# Allegro board FEE5_10_30.brd (continued)
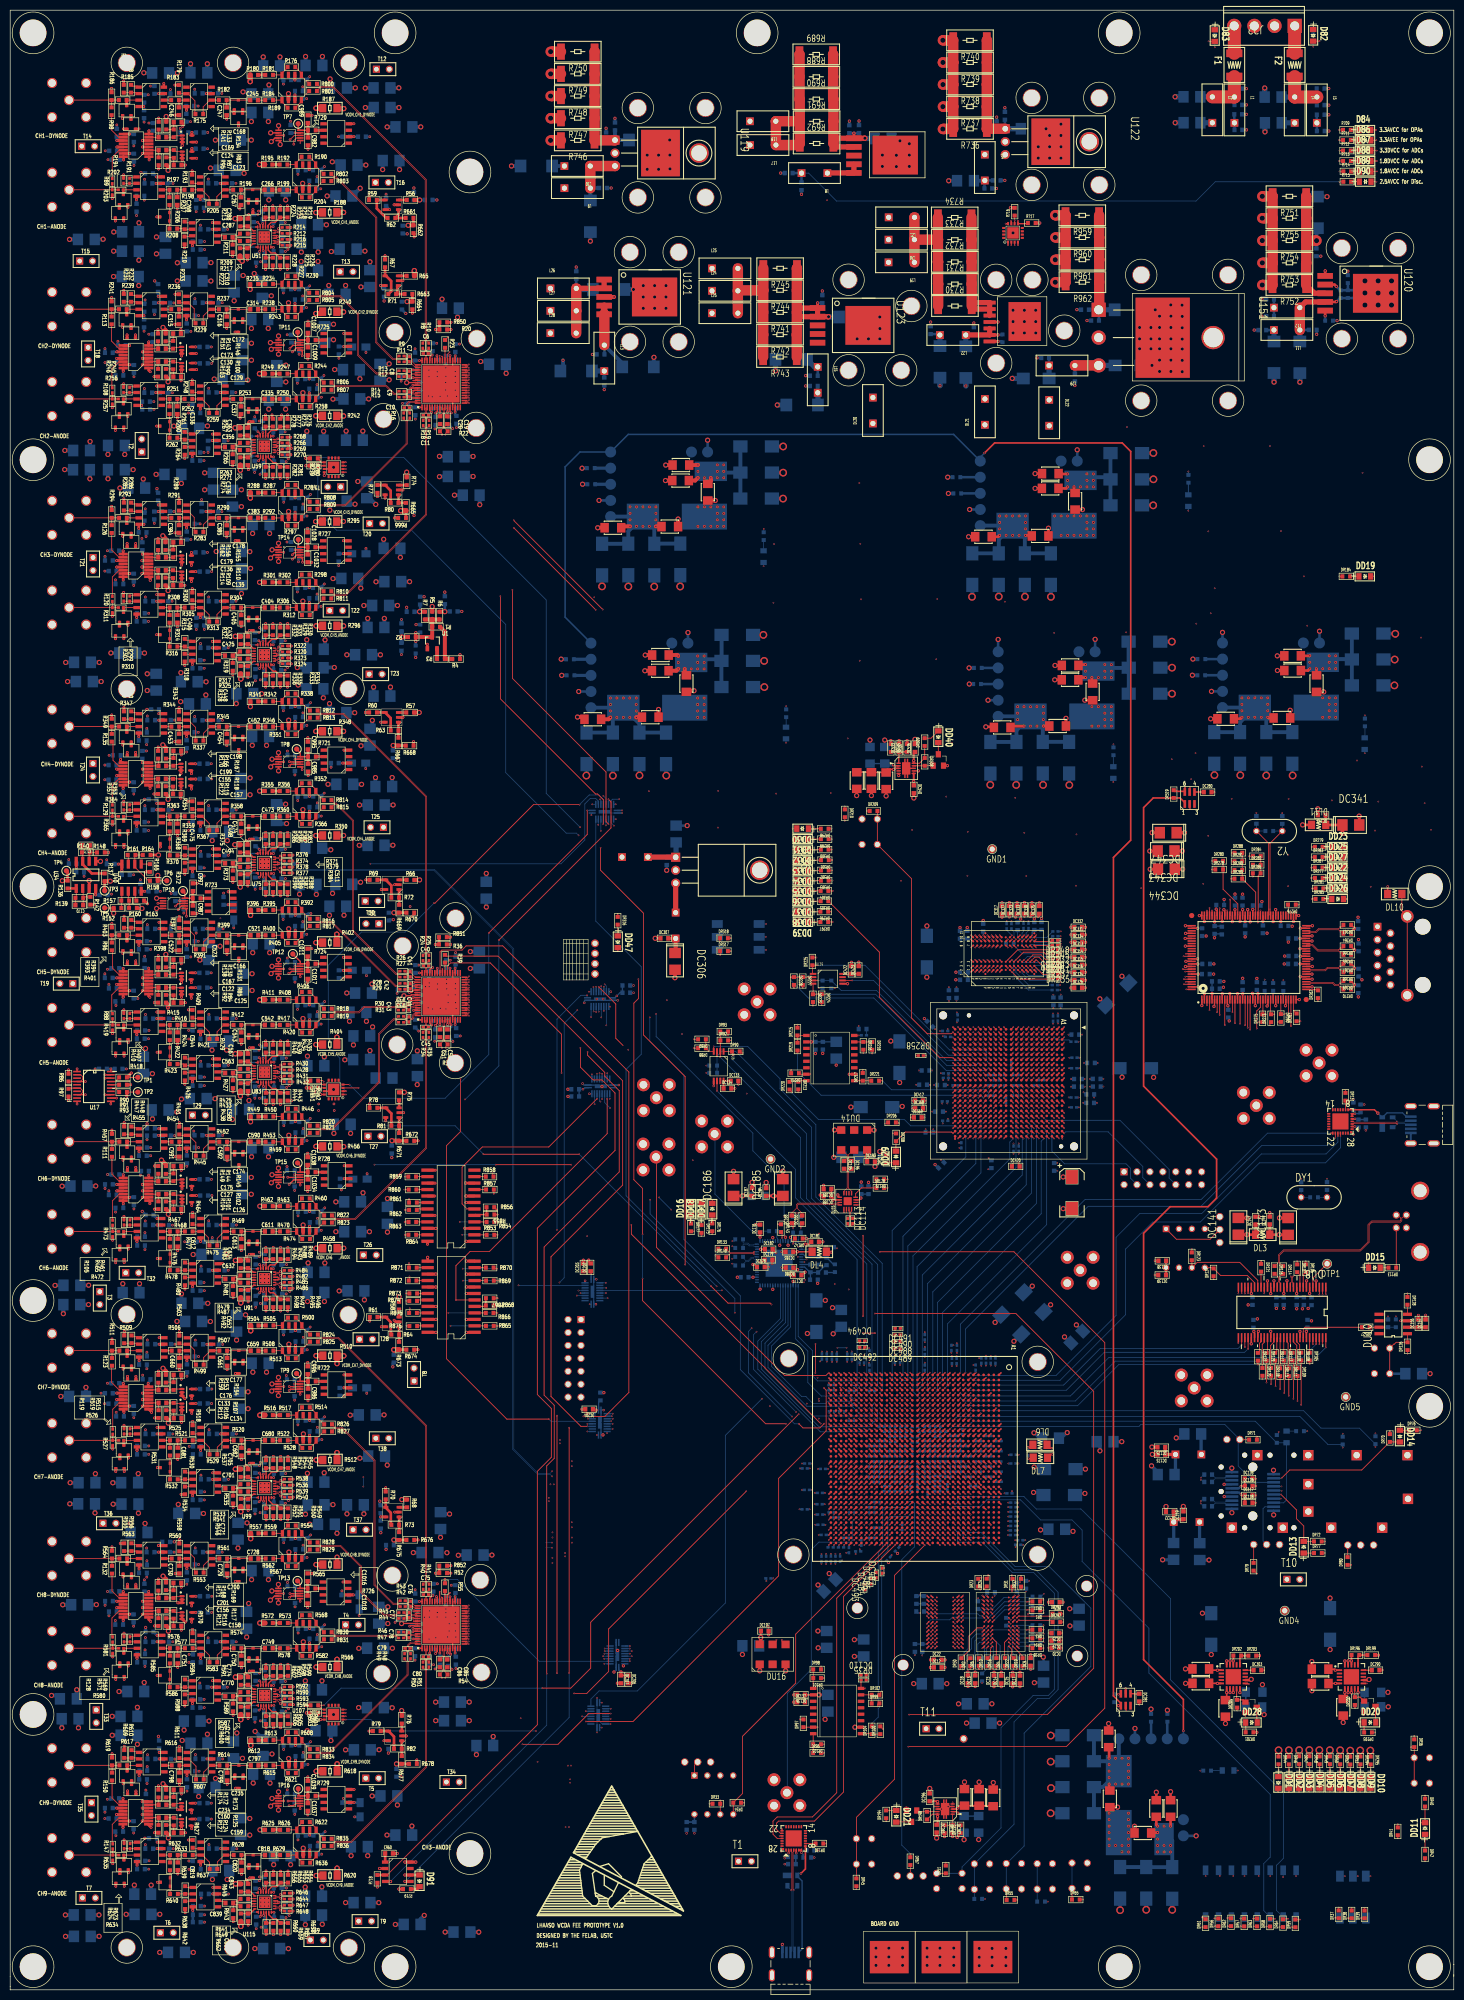
[diagram p0: board, top side]
## Routing (per net, layer and track width the routed paths; a pad name or vN(x,y) marks a point on that pad's centre or on a via; arc(x,y) is an arc through that point) (continued)
VBUS_5V_A7_USB_UART: length 22.5
  TOP w0.305: DU11.8 156.22,23.74 155.34,22.85 v2(155.34,22.85)
  BOTTOM w0.254: v2(155.34,22.85) 154.86,22.85 154.61,22.6 DX1.2 154.61,22.32 155.56,21.37 155.56,8.02 DJ10.1
VBUS_5V_A7_USB_UART2: length 13.6
  TOP w0.254: DU12.8 268,172.82 v6(268.66,172.15)
  BOTTOM w0.254: DJ11.1 274.26,171.46 273.52,172.2 270.46,172.2 269.57,171.32 DX2.2 269.5,171.32 v6(268.66,172.15)
VCC1V0: length 127.2
  TOP w0.152: DU4.AE15 v1(169.79,107.19)
  TOP w0.254: DU4.L17 v1(184.65,105.19) ; DU4.N19 v1(182.65,102.32) ; DU4.Y16 v1(174.79,106.19) ; DU4.W19 v1(175.79,102.32) ; v6(234.6,195.65) 234.6,195.65 DU41.2 ; DU4.P16 v1(181.65,106.19) ; DU41.85 242.6,209.78 v6(242.59,209.77) ; DU41.96 237.1,212.02 v6(236.91,212.2) ; DU4.AD18 v1(170.79,103.32) ; DU4.V20 v1(176.79,101.32) ; DU41.17 242.1,195.57 v6(242.1,195.58) ; DU4.U19 v1(178.65,102.32) ; DU41.27 247.07,194.42 247.07,193.34 v6(246.91,193.19) ; DU4.AE21 v1(169.79,100.32) ; DU4.AC21 v1(171.79,100.32) ; DU31.5 231.69,236.14 v1(231.7,236.14) ; DU4.R21 v1(180.65,100.32) ; DU4.U21 v1(178.65,100.32) ; DU4.V16 v1(176.79,106.19) ; DU41.23 245.1,195.59 v6(245.1,195.6) ; DU4.R17 v1(180.65,105.19) ; DU4.R19 v1(180.65,102.32) ; DU41.90 240.1,209.86 240.09,209.85 240.09,209.77 v6(240.09,209.76) ; DU4.AE17 v1(169.79,105.19) ; DU4.L15 v1(184.65,107.19) ; DU4.T20 v1(179.65,101.32) ; DU4.M16 v1(183.65,106.19) ; DU4.M14 v1(183.65,108.19) ; DU4.AD22 v1(170.79,99.32) ; DU4.W15 v1(175.79,107.19) ; DU4.M20 v1(183.65,101.32) ; v6(236.47,193.1) 236.57,193.21 236.57,194.43 DU41.6 ; DU4.M18 v1(183.65,103.32) ; DU4.AC19 v1(171.79,102.32) ; DU4.K14 v1(185.65,108.19) ; DU4.P14 v1(181.65,108.19) ; v6(246.09,209.81) 246.09,209.81 246.1,209.82 DU41.78 ; v6(233.26,201.45) 233.26,201.45 DU41.118 ; DU4.K18 v1(185.65,103.32) ; DU4.Y14 v1(174.79,108.19) ; DU4.V14 v1(176.79,108.19) ; DU4.AB18 v1(172.79,103.32) ; DU4.AD20 v1(170.79,101.32) ; DU4.T14 v1(179.65,108.19) ; DU4.N15 v1(182.65,107.19) ; DU4.AA21 v1(173.79,100.32) ; DU4.Y18 v1(174.79,103.32) ; DU4.T16 v1(179.65,106.19) ; DU4.AB20 v1(172.79,101.32) ; DU4.AB14 v1(172.79,108.19) ; DU4.AE19 v1(169.79,102.32) ; DU4.AA17 v1(173.79,105.19) ; DU4.W21 v1(175.79,100.32) ; DU4.AD16 v1(170.79,106.19) ; DU4.L21 v1(184.65,100.32) ; DU4.AC17 v1(171.79,105.19) ; DU41.12 239.6,195.62 v6(239.59,195.63) ; DU4.R15 v1(180.65,107.19) ; DU4.K20 v1(185.65,101.32) ; DU4.K16 v1(185.65,106.19) ; DU41.117 v6(230.96,201.95) ; DU4.N17 v1(182.65,105.19) ; DU4.P18 v1(181.65,103.32) ; DU4.Y20 v1(174.79,101.32) ; DU4.P20 v1(181.65,101.32) ; DU4.AA19 v1(173.79,102.32) ; DU4.L19 v1(184.65,102.32) ; DU4.AB16 v1(172.79,106.19) ; DU4.N21 v1(182.65,100.32) ; DU4.U15 v1(178.65,107.19) ; DU4.AA15 v1(173.79,107.19) ; DU4.AC15 v1(171.79,107.19) ; DU4.AD14 v1(170.79,108.19)
  TOP w0.508: DC347.1 230.66,227.21 v5(230.67,227.21) ; DC219.1 241.66,249.58 v7(241.96,249.88) ; DC218.1 247.17,249.75 v7(247.04,249.88)
  BOTTOM w0.152: DR310.1 v1(266.13,250.25)
  BOTTOM w0.254: v6(242.59,209.77) 242.59,209.01 DC348.1 ; DC355.2 245.1,196.14 245.1,195.61 v6(245.1,195.6) ; v1(172.79,108.19) 172.79,108.54 DC468.1 ; DC442.1 179.65,101.61 v1(179.65,101.32) ; v1(182.65,107.19) 182.69,107.15 DC426.1 ; DC39.1 170.79,105.81 v1(170.79,106.19) ; v1(169.79,105.19) 169.79,104.84 DC462.1 ; v1(182.65,102.32) 182.67,102.34 DC444.1 ; v1(181.65,106.19) 181.65,105.85 DC430.1 ; v1(170.79,99.32) 170.79,99.54 DC69.1 ; DC439.1 185.65,101.64 v1(185.65,101.32) ; v1(185.65,108.19) 185.65,107.88 DC461.1 ; DC436.1 170.79,103.66 v1(170.79,103.32) ; v1(173.79,107.19) 173.79,107.47 DC465.1 ; DC81.1 175.79,102.32 v1(175.79,102.32) ; DC42.1 185.65,103.7 v1(185.65,103.32) ; v1(179.65,108.19) 179.65,107.82 DC425.1 ; DC464.1 170.79,107.88 v1(170.79,108.19) ; v1(175.79,107.19) 175.79,106.94 DC435.1 ; DC349.1 236.94,212.23 v6(236.91,212.2) ; DC455.1 182.65,104.78 v1(182.65,105.19) ; v1(178.65,102.32) 178.37,102.32 DC51.1 ; v1(183.65,103.32) 183.65,103.68 DC447.1 ; v1(169.79,102.32) 169.79,102.7 DC463.1 ; v1(184.65,100.32) 184.65,100.56 DC440.1 ; v1(183.65,101.32) 183.65,101.66 DC43.1 ; v1(184.65,105.19) 184.65,104.94 DC454.1 ; DC53.1 178.32,107.52 v1(178.65,107.19) ; v1(171.79,105.19) 171.79,104.86 DC41.1 ; v1(184.65,102.32) 184.65,102.56 DC445.1 ; DC73.1 174.77,101.34 v1(174.79,101.32) ; DC79.1 171.79,102.6 v1(171.79,102.32) ; v1(174.79,103.32) 174.79,103.7 DC40.1 ; DC52.1 177.19,101.32 v1(176.79,101.32) ; DC456.1 172.79,105.86 v1(172.79,106.19) ; v1(184.65,107.19) 184.65,106.87 DC82.1 ; DC469.1 v1(157.08,102.38) ; DC438.1 182.65,99.94 v1(182.65,100.32) ; DC424.1 181.65,108.53 v1(181.65,108.19) ; v1(180.65,100.32) 180.65,100.63 DC437.1 ; DC74.1 170.79,101.63 v1(170.79,101.32) ; v1(178.65,100.32) 178.28,100.32 DC427.1 ; DC433.1 169.79,106.86 v1(169.79,107.19) ; v1(175.79,100.32) 176.06,100.59 DC72.1 ; v1(181.65,101.32) 181.65,100.95 DC441.1 ; DC460.1 172.79,101.67 v1(172.79,101.32) ; v1(180.65,107.19) 180.65,106.91 DC428.1 ; v1(180.65,102.32) 180.65,102.56 DC443.1 ; DC457.1 174.79,105.88 v1(174.79,106.19) ; v6(246.09,209.81) DC358.2 ; v1(176.79,106.19) 176.79,106.19 DC45.1 ; DC38.1 180.65,104.97 v1(180.65,105.19) ; v6(242.1,195.58) DC359.2 ; DC466.1 177.13,108.53 v1(176.79,108.19) ; DC470.1 157.53,103.35 v1(157.55,103.32) ; v1(173.79,102.32) 173.79,102.57 DC80.1 ; v1(173.79,105.19) 173.79,104.85 DC459.1 ; DC70.1 171.79,100.68 v1(171.79,100.32) ; DC71.1 173.79,100.63 v1(173.79,100.32) ; v1(183.65,108.19) 183.65,107.87 DC44.1 ; v1(185.65,106.19) 185.65,105.84 DC432.1 ; v1(183.65,106.19) 183.65,105.89 DC431.1 ; v1(179.65,106.19) 179.65,105.84 DC429.1 ; DC446.1 181.65,103.62 v1(181.65,103.32) ; v1(171.79,107.19) 171.79,106.83 DC434.1 ; v1(169.79,100.32) 169.57,100.54 DC46.1 ; DC458.1 172.79,103.62 v1(172.79,103.32) ; DC471.1 v1(160.65,102.29) ; DC354.2 233.27,201.44 v6(233.26,201.45) ; v1(174.79,108.19) 174.79,108.49 DC467.1
  BOTTOM w0.508: DR180.2 v5(232.34,261.31)
  BOTTOM w0.635: DC30.1 158.07,128.87 156.6,128.87 v5(156.6,128.88)
  BOTTOM w0.762: v5(193.47,131.06) 194.71,132.3 DC31.1 ; v5(197.17,127.35) 198.53,128.71 DC32.1 ; DU25.5 241.6,248.9 DC215.1 DC217.1 ; DU25.5 DU25.6 ; DU25.5 246.75,249.54 DC214.1 246.76,246.96 DC216.1
  vias: v7(241.96,253.69) v7(241.96,252.42) v7(241.96,251.15) v7(243.23,253.69) v7(243.23,249.88) v7(244.5,253.69) v7(244.5,249.88) v7(245.77,253.69) v7(245.77,249.88) v7(247.04,253.69) v7(247.04,252.42) v7(247.04,251.15)
VCC1V2: length 54.5
  TOP w0.254: DU37.K9 v1(198.06,181.04) ; DC368.2 179.3,173.66 v1(179.31,173.67) ; DU37.N12 v1(194.2,177.18) ; DU37.L12 v1(197.06,177.18) ; DU37.R14 v1(192.2,175.18) ; DU37.J14 v1(199.06,175.18) ; DU37.J8 v1(199.06,182.04) ; DU37.L10 v1(197.06,180.04) ; DU37.M13 v1(195.2,176.18) ; DU37.M9 v1(195.2,181.04) ; DU37.P9 v1(193.2,181.04) ; DU37.J10 v1(199.06,180.04) ; DU37.P13 v1(193.2,176.18) ; DU37.L14 v1(197.06,175.18) ; DU37.K11 v1(198.06,179.04) ; DU37.N14 v1(194.2,175.18) ; DU37.N10 v1(194.2,180.04) ; DC369.2 v1(179.62,171.3) ; DU37.K13 v1(198.06,176.18) ; DU37.P11 v1(193.2,179.04) ; DU37.M11 v1(195.2,179.04) ; DU37.J12 v1(199.06,177.18)
  TOP w0.508: v7(202.97,248.15) 202.98,248.17 DC273.1 ; DC272.1 196.77,248.15 v7(199.16,248.15)
  BOTTOM w0.152: DR313.1 v1(216.73,244.57)
  BOTTOM w0.254: DC372.2 194.2,177.46 v1(194.2,177.18) ; v1(197.06,180.04) 197.06,179.68 DC376.2 ; v1(193.2,179.04) 193.2,178.7 DC373.2 ; DC366.2 180.66,177.72 v1(180.66,177.72) ; DC377.2 197.06,175.47 v1(197.06,175.18) ; v1(194.2,180.04) 194.2,179.79 DC375.2 ; DC374.2 197.07,177.55 197.07,177.19 v1(197.06,177.18) ; DC367.2 v1(208.39,177.35) ; v1(192.2,175.18) 192.2,175.58 DC371.2 ; DC370.2 v1(184.17,177.66)
  BOTTOM w0.508: DR190.2 v5(188.37,259.57)
  BOTTOM w0.635: DC378.1 173.42,173.47 v5(175.24,173.47)
  BOTTOM w0.762: DU30.5 202.85,247.64 DC276.1 DC278.1 ; DU30.5 197.67,247.31 DC277.1 192.56,245.04 DC279.1 ; DU30.5 DU30.6
  vias: v7(197.89,251.96) v7(197.89,250.69) v7(197.89,249.42) v7(199.16,251.96) v7(200.43,251.96) v7(200.43,248.15) v7(201.7,251.96) v7(201.7,248.15) v7(202.97,251.96) v7(202.97,250.69) v7(202.97,249.42)
VCC1V5: length 139.3
  TOP w0.254: DU37.U5 v1(190.2,185.04) ; DU1.A9 v1(187.21,77.43) ; DU4.G33 v1(188.65,88.32) ; DU2.E9 v1(198.13,74.23) ; DU4.M28 v1(183.65,93.32) ; DR195.1 186.58,30.66 186.58,30.54 186.04,30 186.04,29.95 v6(186.02,29.92) ; DU40.K2 v1(196.76,200.68) ; DU40.K8 v1(196.76,206.26) ; DU4.K34 v1(185.65,87.32) ; v6(186.16,34.68) 186.16,34.68 185.85,34.99 DU34.2 ; DU40.F1 v1(192.78,199.88) ; DU1.K9 v1(187.21,69.47) ; DU4.J27 v1(186.65,94.32) ; DU1.M9 v1(187.21,67.87) ; DU2.G8 v1(197.33,72.63) ; DU40.H9 v1(194.38,207.06) ; DU2.G2 v1(192.53,72.63) ; DU40.N1 v1(199.16,199.88) ; DU2.M1 v1(190.98,67.87) ; DU37.N5 v1(194.2,185.04) ; DU40.E9 v1(191.98,207.06) ; DU2.A2 v1(191.78,77.43) ; DU4.P32 v1(181.65,89.32) ; DU37.C2 v1(205.06,188.04) ; DU37.J5 v1(199.06,185.04) ; DU37.G2 v1(201.06,188.04) ; DU1.K1 v1(180.06,69.47) ; DU40.D9 v1(191.18,207.06) ; DU1.E2 v1(180.86,74.23) ; DU1.G8 v1(186.41,72.63) ; DU2.C1 v1(190.98,75.83) ; DU1.B9 v1(187.21,76.63) ; DU1.C1 v1(180.06,75.83) ; DU4.R29 v1(180.65,92.32) ; DU4.K24 v1(185.65,97.32) ; DU1.D7 v1(185.61,75.03) ; DU40.B2 v1(189.58,200.68) ; DU37.W2 v1(188.2,188.04) ; DU1.E9 v1(187.21,74.23) ; DU1.M1 v1(180.06,67.87) ; DU40.A8 v1(188.78,206.26) ; DU40.N9 v1(199.16,207.06) ; DU2.K1 v1(190.98,69.47) ; DU40.C9 v1(190.38,207.06) ; DU40.R9 v1(200.76,207.06) ; DU2.M9 v1(198.13,67.87) ; DU37.L7 v1(197.06,183.04) ; DU1.G2 v1(180.86,71.87) ; DU37.L2 v1(197.06,188.04) ; DU2.A9 v1(198.13,77.43) ; DU40.R1 v1(200.76,199.88) ; DU40.D2 v1(191.18,200.68) ; DU40.A1 v1(188.78,199.88) ; DU4.U33 v1(178.65,88.32) ; DU4.T26 v1(179.65,95.32) ; DR306.1 v6(173,245.3) ; DU40.C1 v1(190.38,199.88) ; DU37.R2 v1(192.2,188.04) ; DU4.N25 v1(182.65,96.32) ; DU2.K9 v1(198.13,69.47) ; DU2.D7 v1(196.53,75.03) ; DU4.L31 v1(184.65,90.32) ; DU43.2 173.7,240.35 v6(173.49,240.57) ; DU37.F4 v1(202.06,186.04) ; DU40.G7 v1(193.58,204.68) ; DU2.E2 v1(191.78,74.23) ; DU1.A2 v1(180.86,77.43) ; DU40.H2 v1(194.38,200.68) ; DU4.H30 v1(187.65,91.32) ; DU2.B9 v1(198.13,76.63)
  TOP w0.305: DU33.5 260.36,60.16 v6(260.35,60.16) 258.99,60.16 DC284.1 ; DC298.1 237.13,60.18 v6(237.14,60.17) DU35.5 ; v6(262.82,58.36) DU33.7 ; DU35.6 v6(238.97,58.38) 238.97,57.14 DC297.1 ; DU33.8 263.47,58.35 v6(263.47,58.35) ; DC9.2 200.45,65.78 v6(200.46,65.79) ; DU35.8 v6(240.27,58.38) ; DU33.6 262.17,58.36 v6(262.17,58.36) 262.17,57.41 DC285.1 ; DU35.7 v6(239.62,58.37)
  TOP w0.762: v7(117.9,249.85) 117.54,249.49 DC254.1 ; DC255.1 123.02,249.89 v7(122.98,249.85)
  BOTTOM w0.152: v1(242.47,22.35) 242.45,22.38 DSW7.12 ; v1(240.26,22.35) 240.26,23.13 DSW7.11 ; v1(245.25,22.34) 245.25,23.21 DSW7.13 ; DSW7.9 234.84,23.47 v1(234.84,22.33) ; DR312.1 v1(152.43,252.07) ; v1(237.6,22.37) 237.6,23.24 DSW7.10 ; DSW7.15 v1(250.07,22.15) ; DSW7.14 v1(247.53,22.34) ; DSW7.16 v1(252.61,22.33)
  BOTTOM w0.254: DC523.1 196,89.29 v1(196,89.3) ; v1(206.34,192.75) 206.35,192.77 DC390.2 ; v1(191.18,207.06) 191.18,207.76 DC322.1 ; DC321.1 188.11,198.34 DC320.1 188.18,199.88 v1(188.78,199.88) ; DC393.2 204.86,189.73 v1(204.85,189.72) ; v1(204.93,192.75) 204.93,192.76 DC389.2 ; DC292.1 190.24,34.12 DC291.1 186.82,34.68 v6(186.16,34.68) ; DC4.2 177.72,67.9 DC3.2 179.19,67.87 v1(180.06,67.87) ; DC525.1 157.5,98.17 v1(157.5,98.16) ; DC7.2 197.82,78.24 198.08,77.99 198.08,77.48 v1(198.13,77.43) ; v6(173.49,240.57) 173.27,240.35 172.24,240.35 DC534.1 171.8,240.78 DC535.1 ; DC10.2 199.54,78.21 v1(199.54,78.21) ; DC8.2 191.78,77.91 v1(191.78,77.43) ; DC392.2 185.99,190.3 185.99,189.99 v1(185.96,189.95) ; DC391.2 185.9,194.24 v1(185.89,194.22) ; DC328.1 202.59,208.13 DC329.1 200.76,207.71 v1(200.76,207.06) ; v1(184.41,194.19) 184.4,194.19 DC404.2 ; DC526.1 v1(195.31,97.48) ; v1(196.03,91.09) 196.04,91.09 DC106.1 ; v1(197.43,88.29) 197.44,88.28 DC527.1 ; v1(180.06,75.83) 179.48,75.83 DC5.2 178.02,75.79 DC2.2 ; v1(205.81,189.75) 205.81,189.75 DC396.2 ; DC397.2 v1(184.16,188.68) ; v1(196.03,90.2) 196.03,90.2 DC105.1 ; v1(197.5,86.97) 197.5,86.97 DC528.1 ; v1(196.03,92.01) 196.03,92.01 DC108.1 ; v1(196.06,93.85) 196.06,93.86 DC521.1 ; DC522.1 196.07,94.77 v1(196.07,94.77) ; v1(188.78,206.26) 188.16,206.26 DC318.1 186.59,206.42 DC319.1 ; DC109.1 v1(196.05,92.94) ; DC524.1 v1(196.05,95.67)
  BOTTOM w0.508: DC107.1 v5(158.67,70.46) ; v5(177.49,60.12) 177.69,60.12 177.69,60.12 DC11.1 ; v5(187.86,52.38) 187.87,52.37 DC6.1 ; DC104.1 203.81,90.31 v5(202.4,90.31)
  BOTTOM w0.635: v5(108.25,261.29) 108.26,261.28 DR186.2 ; DC388.1 180.07,198.84 v5(180.06,198.83)
  BOTTOM w0.762: DU28.5 118.39,249.71 DC251.1 DC250.1 ; DU28.5 DU28.6 ; DU28.5 123.61,248.6 DC252.1 128.82,246.88 DC253.1
  vias: v7(117.9,253.66) v7(117.9,252.39) v7(117.9,251.12) v7(119.17,253.66) v7(119.17,249.85) v7(120.44,253.66) v7(120.44,249.85) v7(121.71,253.66) v7(121.71,249.85) v7(122.98,253.66) v7(122.98,252.39) v7(122.98,251.12)
VCC1V8: length 65.5
  TOP w0.254: DU4.W13 v1(175.79,109.19) ; DU4.V22 v1(176.79,99.32) ; DU4.P22 v1(181.65,99.32) ; DU4.P12 v1(181.65,110.19) ; DU4.AB12 v1(172.79,110.19) ; DU4.U13 v1(178.65,109.19) ; DU4.AA13 v1(173.79,109.19) ; DU4.M22 v1(183.65,99.32) ; DU4.AD12 v1(170.79,110.19) ; DU4.AB22 v1(172.79,99.32) ; DU4.W23 v1(175.79,98.32) ; DU4.AA23 v1(173.79,98.32) ; DU4.N13 v1(182.65,109.19) ; DU4.N23 v1(182.65,98.32) ; DU4.AC23 v1(171.79,98.32) ; DU4.R13 v1(180.65,109.19) ; v2(204.7,105.12) 204.69,105.11 204.16,105.11 203.77,104.72 DL7.2 ; DU4.Y12 v1(174.79,110.19) ; DU4.R23 v1(180.65,98.32) ; DU4.Y22 v1(174.79,99.32) ; DU4.T22 v1(179.65,99.32) ; DU4.T12 v1(179.65,110.19) ; DU4.V12 v1(176.79,110.19) ; DU4.AC13 v1(171.79,109.19) ; DU4.U23 v1(178.65,98.32)
  TOP w0.305: DU32.5 v2(219.13,59.17)
  TOP w0.508: DC242.1 215.87,39.28 v7(215.87,40.4) ; DC243.1 215.87,47.57 v7(215.87,45.48)
  BOTTOM w0.152: DR314.1 v1(233.79,43.04)
  BOTTOM w0.254: v1(182.65,98.32) 182.65,97.92 DC476.1 ; v1(171.79,109.19) 171.79,109.51 DC58.1 ; v1(172.79,110.19) 172.79,110.56 DC54.1 ; v1(179.65,110.19) 179.65,110.55 DC449.1 ; DC475.1 180.31,98.32 v1(180.65,98.32) ; v1(182.65,109.19) 182.65,109.42 DC448.1 ; v1(179.65,99.32) 179.65,99.58 DC481.1 ; DC477.1 183.9,99.32 v1(183.65,99.32) ; v1(176.79,99.32) 176.79,99.07 DC480.1 ; v1(178.65,98.32) 178.44,98.32 DC474.1 ; v1(170.79,110.19) 170.79,110.44 DC55.1 ; DC482.1 181.65,99.32 v1(181.65,99.32) ; v1(181.65,110.19) 181.65,110.47 DC450.1 ; v1(173.79,98.32) 173.81,98.31 DC472.1 ; DC483.1 171.79,98.05 v1(171.79,98.32) ; v1(172.79,99.32) 172.79,98.92 DC478.1 ; DC473.1 175.79,98.1 v1(175.79,98.32) ; v1(173.79,109.19) 173.79,109.49 DC57.1 ; v1(176.79,110.19) 177.14,110.54 DC59.1 ; DC479.1 174.78,99.69 174.78,99.33 v1(174.79,99.32) ; v1(174.79,110.19) 174.79,110.4 DC56.1 ; DC453.1 178.65,109.44 v1(178.65,109.19) ; v1(175.79,109.19) 176.05,109.44 DC451.1 ; v1(180.65,109.19) 180.66,109.2 DC452.1
  BOTTOM w0.508: v5(201.1,109.37) 202.15,108.33 DC87.1 ; DR185.2 v5(227.32,54.9)
  BOTTOM w0.635: v5(214.07,105.85) 214.07,106.98 DC88.1
  BOTTOM w0.762: DU27.6 DU27.5 ; DU27.5 214.64,39.8 DC241.1 DC240.1 ; DU27.5 215.84,44.89 DC239.1 DC238.1
  vias: v7(215.87,44.21) v7(215.87,42.94) v7(215.87,41.67) v7(217.14,45.48) v7(217.14,40.4) v7(218.41,45.48) v7(218.41,40.4) v7(219.68,45.48) v7(219.68,44.21) v7(219.68,42.94) v7(219.68,41.67) v7(219.68,40.4)
VCC2V5: length 118.3
  TOP w0.152: v1(244.13,220.29) 244.13,220.29 DR282.1 ; DR285.1 255.74,214.21 v1(255.74,214.21) ; DR288.1 239.94,223.26 v1(239.94,223.26) ; DR277.1 v1(255.55,218.33) ; DR260.2 249.01,190.07 v1(249,190.08) ; v1(255.64,222.41) 255.65,222.42 DR283.1 ; DR287.1 v1(255.59,220.35) ; DR279.1 v1(255.65,224.42) ; DR281.1 v1(255.73,216.26) ; DR278.1 v1(236.12,219.99) ; DU37.B4 v1(206.06,186.04) ; DU37.F11 v1(202.06,179.04)
  TOP w0.254: DU4.AK9 v1(164.79,113.19) ; DU37.R6 v1(192.2,184.04) ; DU4.AJ2 v1(165.79,120.19) ; DU37.K15 v1(198.06,174.18) ; DU4.AN10 v1(161.79,112.19) ; v6(233.36,199.46) 233.35,199.45 DU41.122 ; DU4.AC25 v1(171.79,96.32) ; DU37.H15 v1(200.06,174.18) ; DU41.30 248.6,193.25 v6(248.6,193.25) ; v6(236.1,195.64) 236.1,195.64 DU41.5 ; DU41.82 244.1,212.03 244.09,212.03 244.09,212.13 v6(244.08,212.14) ; DU41.73 248.6,212.11 v6(248.59,212.12) ; DU4.AM28 v1(162.79,93.32) ; DU37.M15 v1(195.2,174.18) ; DU37.G14 v1(201.06,175.18) ; DU4.AK34 v1(164.79,87.32) ; DU4.AJ27 v1(165.79,94.32) ; DU37.B19 v1(206.06,170.18) ; DU37.H9 v1(200.06,181.04) ; DU4.AM3 v1(162.79,119.19) ; DU4.AF26 v1(168.79,95.32) ; DU37.U11 v1(190.2,179.04) ; DU37.G12 v1(201.06,177.18) ; DU4.AP7 v1(160.79,115.19) ; DU41.71 249.6,209.79 v6(249.6,209.78) ; DU37.R12 v1(192.2,177.18) ; DU4.AG33 v1(167.79,88.32) ; DU4.AL6 v1(163.79,116.19) ; DU4.AD32 v1(170.79,89.32) ; DU37.V6 v1(189.2,184.04) ; DU37.E17 v1(203.06,172.18) ; DU41.11 239.12,194.43 239.12,193.32 v6(239.2,193.23) ; DU41.34 250.57,194.43 250.57,193.29 v6(250.52,193.24) ; DU41.97 v6(236.6,209.71) ; v6(242.1,212.1) 242.1,212.09 DU41.86 ; v6(240.59,212.1) 240.6,212.09 DU41.89 ; DU37.N8 v1(194.2,182.04) ; DU37.R10 v1(192.2,180.04) ; DU37.G10 v1(201.06,180.04) ; DU4.AH30 v1(166.79,91.32) ; DU4.AP32 v1(160.79,89.32) ; DU37.F6 v1(202.06,184.04) ; DU4.AN25 v1(161.79,96.32) ; DU4.AE29 v1(169.79,92.32) ; DU37.L8 v1(197.06,182.04) ; DU4.AL31 v1(163.79,90.32)
  TOP w0.508: DC267.1 200.59,285.6 v7(199.45,285.6) ; DC261.1 194.11,285.33 v7(194.37,285.6) ; v5(230.32,220.06) 230.31,220.05 DC344.1 ; DC343.1 230.23,223.61 v5(230.24,223.62) ; DL11.2 v5(253.89,228.75)
  BOTTOM w0.152: DR259.2 v1(250.1,198.26)
  BOTTOM w0.203: DR315.1 v1(231.45,298.15)
  BOTTOM w0.254: v1(208.05,183.05) 208.05,183.04 DC400.2 ; DC361.2 237.91,208.87 DC346.1 236.6,209.71 v6(236.6,209.71) ; v1(202.06,179.04) 202.06,178.66 DC384.2 ; DC514.1 v1(160,95.36) ; DC350.2 239.29,193.15 v6(239.2,193.23) ; DC381.2 212.1,178.87 v1(212.1,178.87) ; DC513.1 v1(160.1,93.33) ; DC512.1 160.14,91.33 v1(160.16,91.31) ; DC65.1 162.38,123.33 v1(162.36,123.32) ; v1(207.89,187.57) 207.9,187.57 DC405.2 ; DC383.2 192.2,179.65 v1(192.2,180.04) ; v6(240.59,212.1) 240.6,212.11 DC364.2 ; v1(160.79,89.32) 160.78,89.33 DC85.1 ; DC402.2 208.39,175.23 v1(207.92,175.23) ; v6(244.08,212.14) 244.09,212.14 244.09,212.9 DC345.1 ; v6(249.6,209.78) 249.6,208.95 DC363.2 ; v1(210.96,182.01) 210.96,182 DC399.2 ; v1(197.06,182.04) 196.68,182.04 DC532.2 ; v1(160.05,97.58) 160.05,97.58 DC509.1 ; v1(164.79,87.32) 164.77,87.3 DC86.1 ; v1(212.13,177.36) 212.13,177.37 DC382.2 ; v1(160.29,85.6) 160.29,85.6 DC83.1 ; DC352.2 233.37,199.45 v6(233.36,199.46) ; v1(195.2,174.18) 195.24,174.13 DC531.2 ; DC511.1 v1(164.42,123.32) ; v1(166.89,86.5) 166.89,86.29 DC517.1 ; DC387.2 181.13,180.53 v1(181.14,180.53) ; DC401.2 208.01,180.96 v1(208.01,180.96) ; v1(160.41,123.36) 160.41,123.36 DC66.1 ; DC403.2 207.99,173.28 v1(207.99,173.27) ; DC518.1 v1(162.12,85.64) ; DC398.2 211.26,175.83 v1(210.84,176.24) ; v1(201.06,177.18) 201.06,177.54 DC385.2 ; v1(161.45,123.32) 161.43,123.34 DC64.1 ; DC510.1 v1(165.32,123.36) ; v1(208.43,178.84) 208.44,178.85 DC395.2 ; v6(236.1,195.64) 236.09,195.66 DC351.2 236.09,198.01 DC353.2 ; DC362.2 242.09,212.11 v6(242.1,212.1) ; DC380.2 210.81,174.17 v1(210.81,174.17) ; DC516.1 v1(149.91,80.78) ; DC519.1 v1(163.04,85.61) ; v1(192.2,177.18) 192.2,177.54 DC386.2 ; DC84.1 v1(161.22,85.63) ; DC515.1 v1(157.04,94.35) ; DC67.1 159.46,123.77 v1(159.08,123.39) ; DC520.1 v1(159.37,85.61)
  BOTTOM w0.508: v5(218.42,179.21) 218.42,180.45 DC379.1 ; v5(214.06,194.58) 215.27,193.37 DC394.1 ; DC89.1 162.07,80.56 v5(160.89,81.74) ; v5(161.67,128.82) 163.05,130.2 DC90.1 ; DR189.2 184.17,297.02 v5(184.17,297.03)
  BOTTOM w0.762: DC266.1 DC265.1 199.32,285.11 DU29.5 ; DU29.5 194.2,284.8 DC264.1 189.01,282.07 DC263.1 ; DU29.5 DU29.6
  vias: v7(194.37,289.41) v7(194.37,288.14) v7(194.37,286.87) v7(195.64,289.41) v7(195.64,285.6) v7(196.91,289.41) v7(196.91,285.6) v7(198.18,289.41) v7(198.18,285.6) v7(199.45,289.41) v7(199.45,288.14) v7(199.45,286.87)
VCC3V3: length 270.2
  TOP w0.152: DR71.2 244.9,108.64 v1(244.88,108.65) ; DR97.2 155.22,53.1 v1(155.14,53.1) ; v1(185.26,186.99) 185.63,186.62 DU37.AB3 ; DR228.2 v1(153.95,196.76) ; DR124.1 v1(236.39,139.57) ; DR93.2 141.02,187.48 v1(141.02,187.48) ; DR96.2 159.84,46.52 v1(159.84,46.52) ; v1(171.47,51.19) 171.47,51.19 DR100.2 ; DR198.1 181.15,34.49 DU34.10 ; DR130.1 v1(160.3,28.73) ; DR209.1 v1(168.27,231.48) ; DR215.2 v1(154.66,189.53) ; DU43.10 178.62,240.85 DR308.1 179.65,244.24 DR309.1 ; DR210.1 v1(163.96,232.39) ; DR40.1 v1(277.93,38.15) ; DR216.2 v1(167.6,183.94) ; DU33.11 266.43,60.16 266.43,60.16 v1(266.51,60.16) ; DR194.1 v1(172.07,33.09) ; DR126.1 v1(274.49,124.93) ; v1(153.42,180.6) 153.42,180.6 DR214.2 ; DR76.2 v1(277.18,109.87) ; DR178.2 v1(172.35,157.47) ; DR128.1 v1(274.47,136.76) ; DR33.1 v1(137.38,36.54) ; v1(170.4,55.65) 170.42,55.67 170.42,56.09 170.57,56.24 DR99.2 ; DR213.2 154.81,176.23 v1(154.81,176.23) ; DR72.2 v1(258.28,88.04) ; DR36.1 v1(275.82,49.87) ; DR123.1 v1(232.12,145.43) ; DR206.1 172.26,170.12 v1(171.89,170.12) ; DR41.1 v1(272.57,29.78) ; DU43.7 178.15,239.35 178.17,239.36 v6(178.38,239.36) ; DR105.2 v1(255.26,122.87) ; DR224.2 v1(159.41,193.35) ; DU34.7 v1(181.45,35.99) ; DR98.2 v1(159.28,63.52) ; DR34.1 v1(144.15,36.75) ; DR208.1 v1(173.4,168.16) ; DR131.1 v1(262.3,176.74) ; DR80.1 v1(263.41,83.44) ; DR70.2 v1(271.03,109.75) ; DR79.1 244.31,82.31 244.9,81.72 v1(244.91,81.72) ; DR89.2 v1(134.3,186.64) ; DR77.2 v1(258.23,85.77) ; DR217.2 v1(167.48,180.69)
  TOP w0.203: DR200.1 264.14,55.36 v1(264.15,55.36) ; v1(268.07,50.53) 268.06,50.54 DR193.1 ; DR204.1 v1(241.03,54.85) ; DR201.1 v6(244.87,50.57) ; DU35.11 242.69,60.1 243.26,60.1 v1(243.31,60.04)
  TOP w0.254: DC423.1 165.27,199.49 DC422.1 164.47,199.5 v6(164.47,199.5) 164.47,199.5 DU39.8 ; DU37.E19 v1(203.06,170.18) ; DU4.Y24 v1(174.79,97.32) ; DC490.1 v1(173.82,128.24) ; DU4.P7 v1(181.65,115.19) ; DU4.AG8 v1(167.79,114.19) ; DU4.Y34 v1(174.79,87.32) ; DU4.AH5 v1(166.79,117.19) ; DU8.18 v6(247.62,136.72) ; v1(173.8,125.54) 173.8,125.54 DC489.1 ; DC492.1 166.88,125.79 v1(166.86,125.78) ; DC491.1 v1(173.85,129.54) ; v5(147.45,69.19) 147.45,70.44 DC197.1 ; v1(167.74,127.07) 167.74,127.32 DC494.1 ; DU4.R4 v1(180.65,118.19) ; DC206.1 121.39,61.73 DC207.1 119.97,62.39 v6(119.99,62.4) ; DU4.AE4 v1(169.79,118.19) ; DU38.2 157.38,186.13 v6(157.38,186.13) ; DC420.2 198.09,161.89 v1(198.09,162.29) ; DU4.H5 v1(187.65,117.19) ; DU37.V12 v1(189.2,177.18) ; v1(171.67,82.81) 171.66,82.8 DC487.1 ; DU4.N10 v1(182.65,112.19) ; 114.13,141 114.13,141 ; 114.13,141 v1(114.13,140.56) ; 114.13,141 DC202.1 ; DU4.AF1 v1(168.79,121.19) ; DU4.G8 v1(188.65,114.19) ; DU4.U8 v1(178.65,114.19) ; DU15.14 161.66,155.12 v6(161.61,155.06) 161.57,155.1 161.57,155.58 161.32,155.83 DC188.1 161.31,157.25 DC189.1 ; DU4.AA31 v1(173.79,90.32) ; DC484.1 168.7,80.74 v1(168.69,80.74) ; DU4.M12 v1(183.65,110.19) ; v1(167.52,79.61) 167.53,79.6 DC493.1 ; DU37.L21 v1(197.06,168.18) ; DU4.AB3 v1(172.79,119.19) ; DU4.J12 v1(186.65,110.19) ; DU37.AA11 v1(186.2,179.04) ; DC412.2 v1(179.86,174.6) ; DU8.34 244.45,128.95 244.31,129.09 v6(244.31,129.28) ; DU4.W27 v1(175.79,94.32) ; DU37.U18 v1(190.2,171.18) ; DU37.AA15 v1(186.2,174.18) ; DU37.L16 v1(197.06,173.18) ; DU8.24 243.81,136.76 v6(243.82,136.76) ; DU37.C21 v1(205.06,168.18) ; DU4.AB28 v1(172.79,93.32) ; DU37.N18 v1(194.2,171.18) ; DU4.L13 v1(184.65,109.19) ; DU8.50 254.63,129.3 v6(254.63,129.3) ; DU8.39 247.62,129.29 v6(247.61,129.3) ; DU37.T9 v1(191.2,181.04) ; DU4.AD7 v1(170.79,115.19) ; DU37.AA19 v1(186.2,170.18) ; DU8.6 v6(255.27,136.75) ; DU37.W5 v1(188.2,185.04) ; DU4.V5 v1(176.79,117.19) ; DU4.F1 v1(189.65,121.19) ; v6(115.09,113.84) 114.65,113.84 DC204.1 ; DU37.AA7 v1(186.2,183.04) ; DU37.T13 v1(191.2,176.18) ; DU4.AA6 v1(173.79,116.19) ; DU37.V16 v1(189.2,173.18) ; DU4.L6 v1(184.65,116.19) ; DU4.T1 v1(179.65,121.19) ; DU4.T11 v1(179.65,111.19) ; DU15.7 166.75,155.12 v6(167.11,155.48) ; DU37.W21 v1(188.2,168.18) ; DU4.AC10 v1(171.79,112.19) ; DU4.W2 v1(175.79,120.19) ; DU4.AF11 v1(168.79,111.19) ; DU37.G21 v1(201.06,168.18) ; DC486.1 v1(169.76,81.93) ; DU4.Y9 v1(174.79,113.19) ; DC488.1 173.81,126.95 v1(173.8,126.94) ; DU4.K9 v1(185.65,113.19) ; DU37.V8 v1(189.2,182.04) ; DU4.M3 v1(183.65,119.19) ; DU37.J18 v1(199.06,171.18) ; DU37.R21 v1(192.2,168.18) ; DU4.J2 v1(186.65,120.19) ; DU4.V30 v1(176.79,91.32)
  TOP w0.305: DU35.10 v6(241.57,58.37) ; DC139.1 227.06,140.37 DU9.8 227.06,143.13 DC138.1 ; DC134.1 140.13,176.99 DU6.8 140.58,178.47 140.58,178.47 v2(140.66,178.47) 141.52,178.47 DC133.1 ; v2(155.42,26.95) DU11.7 DU11.6 ; DC137.2 DC136.1 DU7.2 ; v2(264.17,171.03) 264.16,171.02 DU12.5 ; DU11.5 v2(154.42,26.85) ; v2(264.17,172.02) DU12.7 DU12.6 ; DU33.10 v6(264.77,58.37)
  TOP w0.381: DU43.10 v6(177.49,241.36) 177.49,242.83 DC536.1 ; DU34.10 v6(182.18,34.04) 182.18,32.61 DC283.1
  TOP w0.406: DC157.1 DC156.1 276.61,130.1 v2(275.72,130.1) 275.71,130.1 DU10.2
  TOP w0.508: DU7.2 v5(158.9,57.92) ; 147.46,69.18 v5(147.45,69.19) ; DC142.1 244.65,148.28 DL3.1 242.97,148.28 v5(242.95,148.3) 242.92,148.27 DC141.1
  TOP w0.635: DC193.1 168.35,163.64 v5(168.35,163.64) 168.34,163.65 DU14.6 ; DC125.1 226.9,105.13 DC123.1 226.91,105.13 DL2.2 ; DU16.6 147.45,68.03 v5(147.45,69.19) ; DC122.1 228.56,93.89 DL1.2 229.04,92.34 230.39,92.34 DC119.1 ; DU16.1 147.24,62.65 v5(147.25,62.64) ; DU14.1 169.68,168.83 v5(169.69,168.81) ; DC529.1 v5(206.85,159.61)
  TOP w0.762: DC228.1 127.89,287.38 v7(126.84,287.38) ; DC227.1 120.3,287.38 v7(121.76,287.38)
  BOTTOM w0.152: DR95.2 136.76,180.06 v1(136.75,180.07) ; DR74.2 268.19,109.26 v1(268.19,109.26) ; v1(249.17,109.54) 249.17,109.3 DR73.2 ; DSW1.4 v1(262.19,22.32) ; v1(116.21,51.49) 116.04,51.49 DU46.20 ; DR75.2 v1(261.77,109.21) ; DC409.2 185.13,187.12 v1(185.26,186.99) ; DR78.2 v1(254.82,109.71) ; DR230.2 v1(161.99,196.67) ; DSW1.5 v1(264.71,22.32) ; DSW13.6 v1(148.47,204.22) ; DSW1.6 v1(267.22,22.32) ; DSW13.4 v1(148.49,209.3) ; DR311.1 v1(148.03,286.87) ; DSW13.5 v1(148.44,206.76)
  BOTTOM w0.254: DC36.1 186.9,110.19 v1(186.65,110.19) ; v6(157.38,186.13) 157.4,186.15 DC310.1 158.18,186.15 DC311.2 162.26,186.15 DC309.1 ; v5(147.45,69.19) 147.44,69.19 DC198.1 ; DC34.1 v1(192.61,122.59) ; DC419.2 186.42,166.34 v1(186.42,166.34) ; v1(184.32,179.54) 184.33,179.54 DC410.2 ; v1(189.65,121.19) 189.66,121.19 DC49.1 ; v1(185.91,122.49) 185.91,122.49 DC500.1 ; v1(174.79,87.32) 174.79,87.29 174.57,87.07 DC35.1 ; v1(192.12,161.12) 192.51,161.12 DC414.2 ; v6(119.99,62.4) 119.54,62.85 DU24.20 ; DC506.1 179.66,124.31 v1(179.67,124.31) ; DC508.1 191.69,122.58 v1(191.68,122.58) ; v1(184.19,171.05) 184.19,171.05 DC416.2 ; DC497.1 166.86,122.64 v1(166.85,122.64) ; DC406.2 183.82,172.45 v1(183.82,172.45) ; DC50.1 v1(185,122.48) ; v1(173.15,85.39) 173.14,85.39 172.88,85.13 DC485.1 ; v6(254.63,129.3) 254.84,129.52 DC154.1 ; DC501.1 184.89,125.08 v1(184.89,125.08) ; v1(181.34,168.99) 181.35,168.98 DC407.2 ; DC503.1 168.79,121.64 v1(168.79,121.19) ; DC33.1 193.55,122.55 v1(193.55,122.55) ; v6(243.82,136.76) 243.82,136.23 DC155.1 ; DU45.20 120.16,231.58 120.16,231.58 v1(120.21,231.58) ; DC413.2 181.21,189.09 v1(181.69,188.61) ; 167.05,155.41 v6(167.11,155.48) 167.18,155.55 DC190.1 167.19,156.25 DC191.1 ; v1(190.76,122.56) 190.77,122.57 DC507.1 ; DC153.1 244.31,129.94 v6(244.31,129.28) ; DC499.1 v1(179.66,127.16) ; DC495.1 173.78,122.69 v1(173.78,122.68) ; DC411.2 184.31,178.65 v1(184.32,178.64) ; v1(185.97,125.08) 185.98,125.09 DC502.1 ; v1(167.75,122.63) 167.75,122.63 DC496.1 ; v1(184.65,109.19) 184.65,108.91 DC47.1 ; DU44.20 118.79,194.8 v2(119.16,195.17) 119.79,195.79 DC541.1 120.27,197.21 DC542.1 ; DC152.1 255.64,136.23 255.27,136.6 v6(255.27,136.75) ; DC498.1 v1(174.82,122.69) ; DC415.2 v1(184.1,174.05) ; v6(115.09,113.84) DU20.20 115.6,113.87 115.6,115.39 DC205.1 ; v1(205.69,162.37) 205.68,162.36 DC421.2 ; DC505.1 v1(168.79,124.05) ; DU17.20 112.9,177.15 112.59,176.84 v2(112.52,176.84) 111.76,176.84 DC200.1 DC201.1 ; DC417.2 v1(197.1,166.18) ; DC408.2 183.37,162.43 v1(182.84,162.96) ; v1(179.65,121.19) 179.67,121.2 DC48.1 ; DU21.20 v1(114.13,140.56) ; DC418.2 v1(198.11,166.19)
  BOTTOM w0.305: v2(154.42,26.85) 154.42,26.2 DC158.1 154.32,24.69 DC161.2 ; DC287.1 266.06,55.58 DC286.1 266.01,58.37 v6(264.77,58.37) ; DC165.1 266.3,170.88 DC164.1 264.7,171.03 v2(264.17,171.03) ; DC299.1 242.73,55.58 DC300.1 242.64,58.37 v6(241.57,58.37) ; DC163.2 264.1,172.45 264.1,172.08 v2(264.17,172.02) 264.22,172.07 265.01,172.07 DC162.2 ; DU3.8 134.41,32.95 DC29.1 132.9,32.94 DC28.1 ; DC159.1 155.82,26.54 v2(155.42,26.95) 155.86,27.38 DC160.2
  BOTTOM w0.508: v5(158.9,57.92) 158.91,57.92 DC135.1 ; DC37.1 208.31,127.01 v5(207.11,128.2) ; v5(165.83,68.75) 165.86,68.78 DC504.1
  BOTTOM w0.635: v5(147.45,69.19) 147.45,67.85 DC199.1 ; DC120.1 228.56,87.76 DL1.2 ; DC124.1 228.91,101.36 DL2.2 ; DC194.1 166.76,163.64 v5(168.35,163.64) 169.28,163.64 DC192.1 ; v5(112.34,298.79) 112.36,298.81 DR181.2 ; DC530.1 173.05,186.24 v5(172.99,186.3)
  BOTTOM w0.762: DU26.5 121.43,286.41 DC229.1 121.41,283.95 DC231.1 ; DU26.5 126.53,287.06 DC226.1 126.56,283.98 DC230.1 ; DU26.5 DU26.6
  vias: v7(121.76,291.19) v7(121.76,289.92) v7(121.76,288.65) v7(123.03,291.19) v7(123.03,287.38) v7(124.3,291.19) v7(124.3,287.38) v7(125.57,291.19) v7(125.57,287.38) v7(126.84,291.19) v7(126.84,289.92) v7(126.84,288.65)
VIN5: length 177.3
  TOP w0.152: DR184.1 v1(261.11,277.54)
  TOP w0.254: v1(230.75,236.14) 230.74,236.13 DU31.6
  TOP w0.305: v2(217.68,58.05) 218.08,58.05 DU32.6 ; DU31.6 230.62,235.33 228.8,235.33 DR319.2
  TOP w0.508: v7(207.71,297.66) 206.02,297.66 DC259.1 ; DC210.1 254.95,259.06 v7(255.29,259.41) ; DC244.1 210,260.21 v7(211.22,260.21) ; v7(212.49,257.67) 212.49,256.64 DC246.1 ; v7(255.29,261.95) 255.29,261.94 DC209.1 ; v7(227.93,32.14) 227.95,32.16 DC237.1 ; v7(208.98,295.12) 208.98,294.14 DC256.1 ; DC213.1 256.62,259.35 v7(256.56,259.41) ; DC260.1 207.41,294.83 v7(207.71,295.12) ; v7(211.22,257.67) 210.27,257.67 DC245.1 ; DC236.1 225.14,32.4 v7(225.39,32.14) ; DC235.1 224.21,30.87 v7(225.39,30.87)
  TOP w0.762: DC271.1 130.88,259.02 v7(131.24,259.37) ; v7(135.1,299.44) 135.06,299.41 DTC221.1 ; v7(131.24,261.91) 131.05,262.11 DC269.1 ; v7(137.64,296.9) 137.64,296.31 DC225.1 ; DC270.1 132.51,258.46 v7(132.51,259.37) ; v7(135.1,296.9) 134.56,296.36 DC224.1
  S2 w0.305: v2(217.68,58.05) 217.68,57.98 223.31,52.36 223.31,34.23 v7(225.39,32.14)
  S3 w0.152: 204.1,306.19 DL22.2 ; DL22.2 204.1,308.07 ; DL22.2 203.16,307.13 ; DL22.2 205.04,307.13 ; 120.18,221.48 DL8.1 ; DL8.1 119.24,222.42 ; DL8.1 121.12,222.42 ; DL8.1 120.18,223.36
  BOTTOM w0.305: v2(217.68,58.05) 217.64,58.01 DR320.2
  BOTTOM w0.508: DU25.10 v5(238.15,266.55) ; DU30.10 v5(194.08,265.16)
  BOTTOM w0.762: DC258.1 215.72,297.02 DU29.2 ; DC258.1 DC257.1 ; DC258.1 DC262.1 ; DC211.1 DC212.1 ; DC211.1 263.56,266.31 DC208.1 ; DC211.1 263.49,261.31 DU25.2 ; DC248.1 DC249.1 ; DC248.1 139.41,261.27 DU28.2 ; DC248.1 139.74,260.97 DC247.1 ; DC275.1 219.73,254.52 DC274.1 ; DC268.1 219.71,259.64 DC274.1 ; DU26.2 137.87,297.93 DC222.1 ; DC274.1 219.69,259.57 DU30.2 ; DU27.2 228.27,29.26 DC232.1 223.18,24.09 DC234.1 DC233.1 ; DC222.1 143.44,292.84 DC223.1 ; DC222.1 DC220.1